# Altium PCB higgs.PcbDoc (part 23 of 25) (continued)
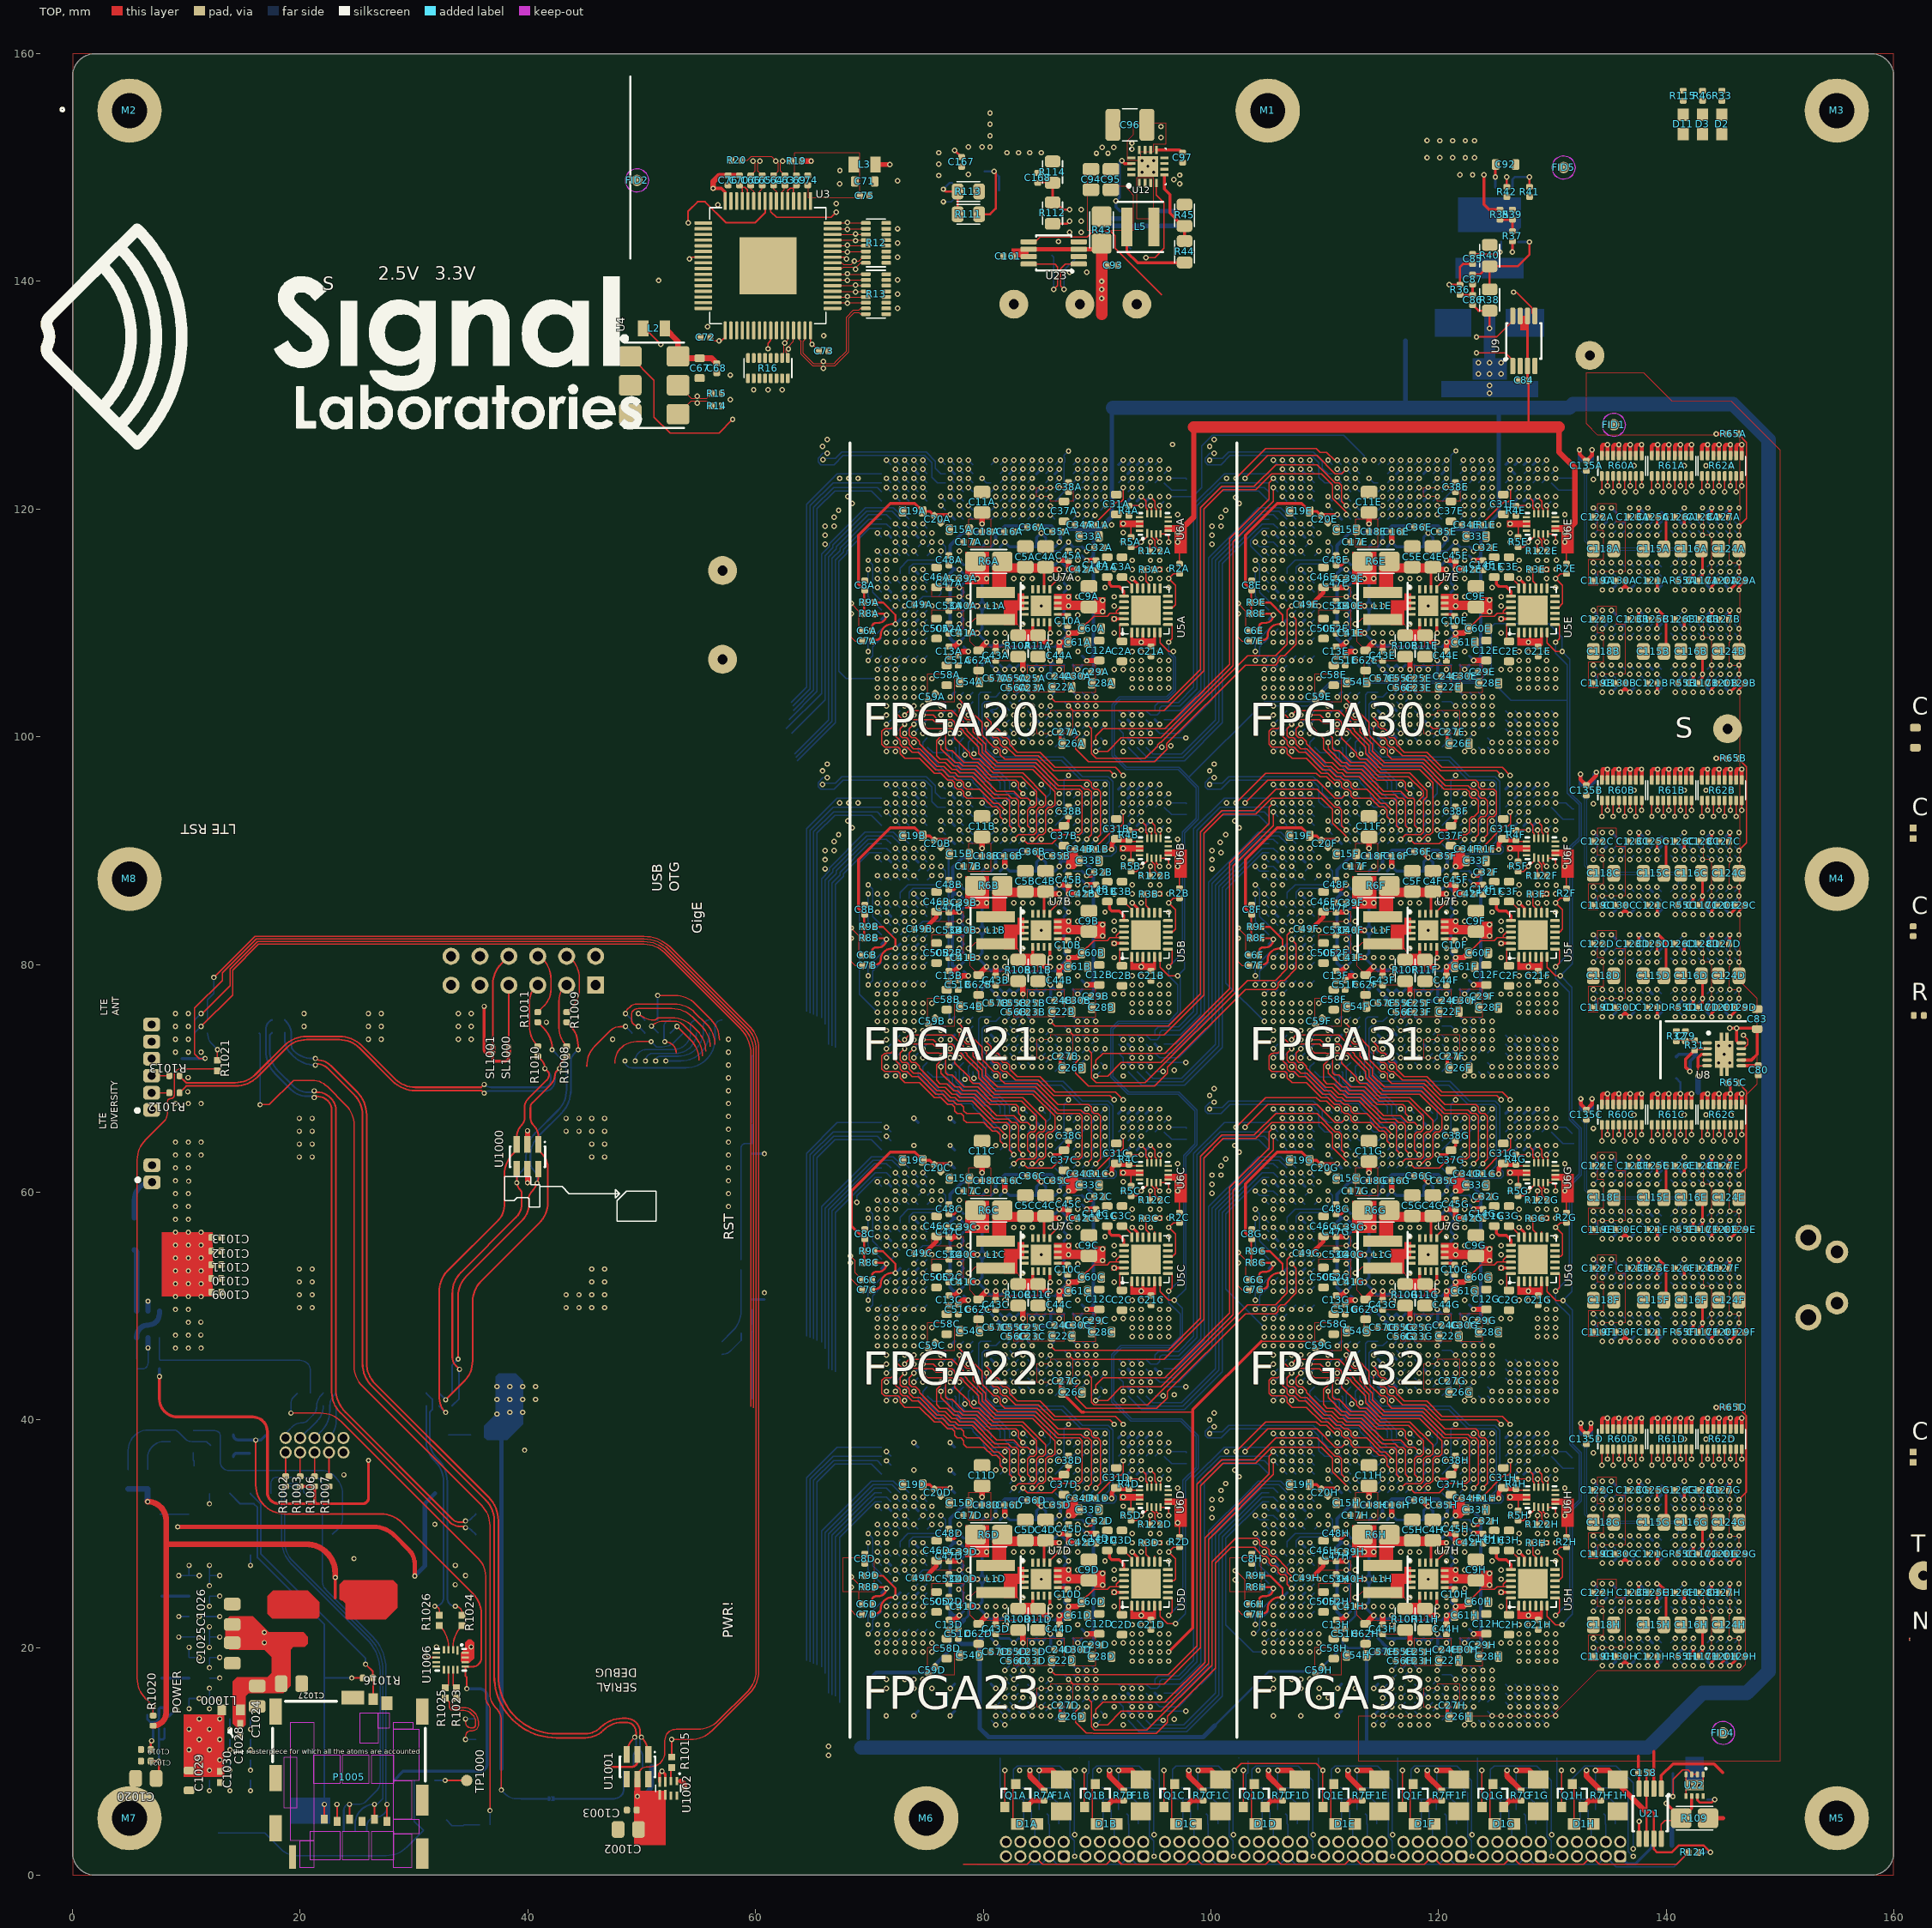
[diagram p0: TOP view]
## Nets (pads, with @x,y where several pads share a name; then routed paths per layer and width w, separated by ;. In a path a pad name is that pad's centre, name@x,y a point inside that pad or via, vN(x,y) a via of type N, cw(c..) or ccw(c..) an arc to the next point about the centre after c; other vN are vias at no path point) (continued)
  BOT w0.28: C78.2@140.9,71.9 141.1,72.1 C77.2@142.7,72.1 142.1,71.5 v1(142.1,70.6)
  other v1: 91.3,33.1 125.3,33.1 91.3,61.6 125.3,61.6 91.3,90.1 125.3,90.1 123.5,131.865 124.5,131.865 125.5,131.865 123.5,132.865 124.5,132.865 125.5,132.865
V2V5: C11A.2 C11B.2 C11C.2 C11D.2 C11E.2 C11F.2 C11G.2 C11H.2 C12A.2 C12B.2 C12C.2 C12D.2 C12E.2 C12F.2 C12G.2 C12H.2 C13A.2 C13B.2 C13C.2 C13D.2 C13E.2 C13F.2 C13G.2 C13H.2 C14A.1 C14B.1 C14C.1 C14D.1 C14E.1 C14F.1 C14G.1 C14H.1 C164.2 C165.2 R110.2 R112.2 TP11.1 U1A.AC11 U1A.AC22 U1A.K13 U1A.K20 U1A.N10 U1A.N23 U1A.Y10 U1A.Y23 U1B.AC11 U1B.AC22 U1B.K13 U1B.K20 U1B.N10 U1B.N23 U1B.Y10 U1B.Y23 U1C.AC11 U1C.AC22 U1C.K13 U1C.K20 U1C.N10 U1C.N23 U1C.Y10 U1C.Y23 U1D.AC11 U1D.AC22 U1D.K13 U1D.K20 U1D.N10 U1D.N23 U1D.Y10 U1D.Y23 U1E.AC11 U1E.AC22 U1E.K13 U1E.K20 U1E.N10 U1E.N23 U1E.Y10 U1E.Y23 U1F.AC11 U1F.AC22 U1F.K13 U1F.K20 U1F.N10 U1F.N23 U1F.Y10 U1F.Y23 U1G.AC11 U1G.AC22 U1G.K13 U1G.K20 U1G.N10 U1G.N23 U1G.Y10 U1G.Y23 U1H.AC11 U1H.AC22 U1H.K13 U1H.K20 U1H.N10 U1H.N23 U1H.Y10 U1H.Y23 U23.1 | length 769
  TOP w0.1: v1(87.1,139.3) 86.8,139.6 86.8,141.1 87.225,141.525 U23.1@88.4,141.525
  TOP w0.2: R112.2@86.1,145.06 87.36,145.06 v1(87.6,145.3)
  TOP w0.483: C13D.2@77,22.43 77.53,22.43 v1(77.9,22.8) ; C13C.2@77,50.93 77.53,50.93 v1(77.9,51.3) ; C13B.2@77,79.43 77.53,79.43 v1(77.9,79.8) ; C13A.2@77,107.93 77.53,107.93 v1(77.9,108.3) ; v1(79.9,33.2) C11D.2@79.9,34.2 ; v1(79.9,61.7) C11C.2@79.9,62.7 ; v1(79.9,90.2) C11B.2@79.9,91.2 ; v1(79.9,118.7) C11A.2@79.9,119.7 ; v1(89.1,21.2) C12D.2@90.2,21.2 ; v1(89.1,30) C14D.1@89.9,30 ; v1(89.1,49.7) C12C.2@90.2,49.7 ; v1(89.1,58.5) C14C.1@89.9,58.5 ; v1(89.1,78.2) C12B.2@90.2,78.2 ; v1(89.1,87) C14B.1@89.9,87 ; v1(89.1,115.5) C14A.1@89.9,115.5 ; v1(89.106,106.68) 90.18,106.68 C12A.2@90.2,106.7 ; C13H.2@111,22.43 111.53,22.43 v1(111.9,22.8) ; C13G.2@111,50.93 111.53,50.93 v1(111.9,51.3) ; C13F.2@111,79.43 111.53,79.43 v1(111.9,79.8) ; C13E.2@111,107.93 111.53,107.93 v1(111.9,108.3) ; v1(113.9,33.2) C11H.2@113.9,34.2 ; v1(113.9,61.7) C11G.2@113.9,62.7 ; v1(113.9,90.2) C11F.2@113.9,91.2 ; v1(113.9,118.7) C11E.2@113.9,119.7 ; v1(123.1,21.2) C12H.2@124.2,21.2 ; v1(123.1,30) C14H.1@123.9,30 ; v1(123.1,49.7) C12G.2@124.2,49.7 ; v1(123.1,58.5) C14G.1@123.9,58.5 ; v1(123.1,78.2) C12F.2@124.2,78.2 ; v1(123.1,87) C14F.1@123.9,87 ; v1(123.1,106.7) C12E.2@124.2,106.7 ; v1(123.1,115.5) C14E.1@123.9,115.5
  BOT w0.1: v1(87.1,139.3) 87.1,141 88.38,142.28 R110.2@88.38,142.3
  BOT w0.2: R110.2@87.88,142.28 R110.2@87.88,142.3
  BOT w0.254: v1(77.9,22.8) U1D.K20@78.3,23.2 ; v1(77.9,29.2) U1D.K13@78.3,28.8 ; v1(77.9,51.3) U1C.K20@78.3,51.7 ; v1(77.9,57.7) U1C.K13@78.3,57.3 ; v1(77.9,79.8) U1B.K20@78.3,80.2 ; v1(77.9,86.2) U1B.K13@78.3,85.8 ; v1(77.9,108.3) U1A.K20@78.3,108.7 ; v1(77.9,114.7) U1A.K13@78.3,114.3 ; U1D.N23@80.7,20.8 v1(81.1,20.4) ; U1D.N10@80.7,31.2 v1(81.1,31.6) ; U1C.N23@80.7,49.3 v1(81.1,48.9) ; U1C.N10@80.7,59.7 v1(81.1,60.1) ; U1B.N23@80.7,77.8 v1(81.1,77.4) ; U1B.N10@80.7,88.2 v1(81.1,88.6) ; U1A.N23@80.7,106.3 v1(81.1,105.9) ; U1A.N10@80.7,116.7 v1(81.1,117.1) ; v1(85.9,21.2) U1D.Y23@86.3,20.8 ; v1(85.9,49.7) U1C.Y23@86.3,49.3 ; v1(85.9,78.2) U1B.Y23@86.3,77.8 ; v1(85.9,106.7) U1A.Y23@86.3,106.3 ; 85.939,20.189 v1@85.939,21.086 ; 85.939,48.689 v1@85.939,49.586 ; 85.939,77.189 v1@85.939,78.086 ; 85.939,105.689 v1@85.939,106.586 ; U1D.Y10@86.3,31.2 v1(86.7,31.6) ; U1C.Y10@86.3,59.7 v1(86.7,60.1) ; U1B.Y10@86.3,88.2 v1(86.7,88.6) ; U1A.Y10@86.3,116.7 v1(86.7,117.1) ; U1D.AC22@88.7,21.6 89.075,21.225 v1(89.1,21.2) ; U1D.AC11@88.7,30.4 v1(89.1,30) ; U1C.AC22@88.7,50.1 v1(89.1,49.7) ; U1C.AC11@88.7,58.9 v1(89.1,58.5) ; U1B.AC22@88.7,78.6 89.075,78.225 v1(89.1,78.2) ; U1B.AC11@88.7,87.4 v1(89.1,87) ; U1A.AC22@88.7,107.1 89.075,106.725 89.106,106.694 v1(89.106,106.68) ; U1A.AC11@88.7,115.9 v1(89.1,115.5) ; v1(111.9,22.8) U1H.K20@112.3,23.2 ; v1(111.9,29.2) U1H.K13@112.3,28.8 ; v1(111.9,51.3) U1G.K20@112.3,51.7 ; v1(111.9,57.7) U1G.K13@112.3,57.3 ; v1(111.9,79.8) U1F.K20@112.3,80.2 ; v1(111.9,86.2) U1F.K13@112.3,85.8 ; v1(111.9,108.3) U1E.K20@112.3,108.7 ; v1(111.9,114.7) U1E.K13@112.3,114.3 ; U1H.N23@114.7,20.8 115.1,20.4 ; U1H.N10@114.7,31.2 v1(115.1,31.6) ; U1G.N23@114.7,49.3 v1(115.1,48.9) ; U1G.N10@114.7,59.7 v1(115.1,60.1) ; U1F.N23@114.7,77.8 v1(115.1,77.4) ; U1F.N10@114.7,88.2 v1(115.1,88.6) ; U1E.N23@114.7,106.3 v1(115.1,105.9) ; U1E.N10@114.7,116.7 v1(115.1,117.1) ; v1(119.9,21.2) U1H.Y23@120.3,20.8 ; v1(119.9,49.7) U1G.Y23@120.3,49.3 ; v1(119.9,78.2) U1F.Y23@120.3,77.8 ; v1(119.9,106.7) U1E.Y23@120.3,106.3 ; 119.939,20.189 v1@119.939,21.086 ; 119.939,48.689 v1@119.939,49.586 ; 119.939,77.189 v1@119.939,78.086 ; 119.939,105.689 v1@119.939,106.586 ; U1H.Y10@120.3,31.2 v1(120.7,31.6) ; U1G.Y10@120.3,59.7 v1(120.7,60.1) ; U1F.Y10@120.3,88.2 v1(120.7,88.6) ; U1E.Y10@120.3,116.7 120.572,116.972 v1(120.572,117.403) ; U1H.AC22@122.7,21.6 123.075,21.225 v1(123.1,21.2) ; U1H.AC11@122.7,30.4 v1(123.1,30) ; U1G.AC22@122.7,50.1 v1(123.1,49.7) ; U1G.AC11@122.7,58.9 v1(123.1,58.5) ; U1F.AC22@122.7,78.6 v1(123.1,78.2) ; U1F.AC11@122.7,87.4 v1(123.1,87) ; U1E.AC22@122.7,107.1 123.075,106.725 v1(123.1,106.7) ; U1E.AC11@122.7,115.9 v1(123.1,115.5)
  BOT w0.305: 69.9,12 69.9,17.1 70.6,17.8 75.1,17.8 77.1,19.8 77.1,23.125 ; v1@77.875,22.8 77.425,22.8 77.1,23.125 ; v1@77.875,51.3 77.425,51.3 77.1,51.625 77.1,57.35 77.45,57.7 ; v1@77.875,79.8 77.425,79.8 77.3,79.925 77.3,86.05 77.45,86.2 ; v1@77.875,108.3 77.425,108.3 77.1,108.625 77.1,114.35 77.45,114.7 ; v1@77.925,29.2 77.45,29.2 ; v1@77.925,57.7 77.45,57.7 ; v1@77.925,86.2 77.45,86.2 ; v1@77.925,114.7 77.45,114.7 ; v1@79.925,33.125 79.925,32.8 ; v1@79.925,61.625 79.925,61.3 ; v1@79.925,90.125 79.925,89.8 ; v1@79.925,118.625 79.925,118.3 ; v1(81.1,20.4) 81.75,19.75 85.5,19.75 85.893,20.143 86.52,19.75 89.15,19.75 89.7,20.3 89.7,21 89.438,21.263 89.7,21.525 89.7,29.65 89.375,29.975 v1@89.125,29.975 ; v1@81.1,31.7 81.1,32.2 ; v1(81.1,48.9) 81.75,48.25 85.5,48.25 85.893,48.643 86.52,48.25 89.15,48.25 89.7,48.8 89.7,49.5 89.438,49.763 89.7,50.025 89.7,58.15 89.375,58.475 v1@89.125,58.475 ; v1@81.1,60.2 81.1,60.7 ; v1(81.1,77.4) 81.75,76.75 85.5,76.75 85.893,77.143 86.52,76.75 89.15,76.75 89.7,77.3 89.7,78 89.438,78.263 89.7,78.525 89.7,86.65 89.375,86.975 v1@89.125,86.975 ; v1@81.1,88.7 81.1,89.2 ; v1(81.1,105.9) 81.75,105.25 85.5,105.25 85.893,105.643 86.52,105.25 89.15,105.25 89.7,105.8 89.7,106.5 89.438,106.763 89.7,107.025 89.7,115.15 89.375,115.475 v1@89.125,115.475 ; v1@81.1,117.2 81.1,117.7 ; v1@86.775,31.75 86.775,32.25 ; v1@86.775,60.25 86.775,60.75 ; v1@86.775,88.75 86.775,89.25 ; v1@86.775,117.25 86.775,117.75 ; v1@89.075,21.225 89.4,21.225 ; v1@89.075,49.725 89.4,49.725 ; v1@89.075,78.225 89.4,78.225 ; v1@89.075,106.725 89.4,106.725 ; 89.375,30.05 89.7,30.375 89.7,31.3 88.7,32.3 86.825,32.3 86.775,32.25 ; 89.375,58.55 89.7,58.875 89.7,59.8 88.8,60.7 86.825,60.7 86.775,60.75 ; 89.375,87.05 89.7,87.375 89.7,88.2 88.806,89.094 87.715,89.094 87.707,89.101 87.293,89.101 87.286,89.094 86.931,89.094 86.775,89.25 ; 89.375,115.55 89.7,115.875 89.7,117.4 88.9,118.2 87.225,118.2 86.775,117.75 ; v1@111.875,22.8 111.425,22.8 111.1,23.125 111.1,28.85 111.45,29.2 ; v1@111.875,51.3 111.425,51.3 111.1,51.625 111.1,57.35 111.45,57.7 ; v1@111.875,79.8 111.425,79.8 111.1,80.125 111.1,85.85 111.45,86.2 ; v1@111.875,108.3 111.425,108.3 111.1,108.625 111.1,114.35 111.45,114.7 ; v1@111.925,29.2 111.45,29.2 ; v1@111.925,57.7 111.45,57.7 ; v1@111.925,86.2 111.45,86.2 ; v1@111.925,114.7 111.45,114.7 ; 113.6,11.4 113.7,11.5 113.7,18.9 114.55,19.75 115.75,19.75 ; v1@113.925,33.125 113.925,32.8 ; v1@113.925,61.625 113.925,61.3 ; v1@113.925,90.125 113.925,89.8 ; v1@113.925,118.625 113.925,118.3 ; 115.1,20.4 115.75,19.75 ; v1@115.1,31.7 115.1,32.2 ; v1(115.1,48.9) 115.75,48.25 119.5,48.25 119.893,48.643 120.52,48.25 123.15,48.25 123.7,48.8 123.7,49.5 123.438,49.763 123.7,50.025 123.7,58.15 123.375,58.475 v1@123.125,58.475 ; v1@115.1,60.2 115.1,60.7 ; v1(115.1,77.4) 115.75,76.75 119.5,76.75 119.893,77.143 120.52,76.75 123.15,76.75 123.7,77.3 123.7,78 123.438,78.263 123.7,78.525 123.7,86.65 123.375,86.975 v1@123.125,86.975 ; v1@115.1,88.7 115.1,89.2 ; v1(115.1,105.9) 115.75,105.25 119.5,105.25 119.893,105.643 120.52,105.25 123.15,105.25 123.7,105.8 123.7,106.5 123.438,106.763 123.7,107.025 123.7,115.15 123.375,115.475 v1@123.125,115.475 ; v1@115.1,117.2 115.1,117.7 ; v1@120.775,31.75 120.775,32.25 ; v1@120.775,60.25 120.775,60.75 ; v1@120.775,88.75 120.775,89.25 ; 120.775,117.25 120.775,117.75 ; v1@123.075,21.225 123.4,21.225 ; v1@123.075,49.725 123.4,49.725 ; v1@123.075,78.225 123.4,78.225 ; v1@123.075,106.725 123.4,106.725 ; v1@123.125,29.975 123.375,29.975 123.7,29.65 123.7,21.525 123.438,21.263 123.7,21 123.7,20.3 123.15,19.75 120.52,19.75 119.893,20.143 119.5,19.75 115.75,19.75 ; 123.375,30.05 123.7,30.375 123.7,31.3 122.7,32.3 120.825,32.3 120.775,32.25 ; 123.375,58.55 123.7,58.875 123.7,59.8 122.8,60.7 120.825,60.7 120.775,60.75 ; 123.375,87.05 123.7,87.375 123.7,88.5 122.9,89.3 120.825,89.3 120.775,89.25 ; 123.375,115.55 123.7,115.875 123.7,117.4 122.9,118.2 ; 125.3,119.6 124.739,119.039 124.739,118.918 124.021,118.2 122.9,118.2 ; 77.1,23.125 77.1,28.85 77.45,29.2 ; 77.45,29.2 77.1,29.55 77.1,31.3 78.2,32.4 79.525,32.4 79.925,32.8 ; 77.45,57.7 77.1,58.05 77.1,59.8 78.2,60.9 79.525,60.9 79.925,61.3 ; 77.45,86.2 77.325,86.325 77.325,88.525 78.2,89.4 79.525,89.4 79.925,89.8 ; 77.45,114.7 77.1,115.05 77.1,116.8 78.2,117.9 79.525,117.9 79.925,118.3 ; 79.925,32.8 80.325,32.4 80.9,32.4 81.1,32.2 ; 79.925,61.3 80.325,60.9 80.9,60.9 81.1,60.7 ; 79.925,89.8 80.325,89.4 80.9,89.4 81.1,89.2 ; 79.925,118.3 80.325,117.9 80.9,117.9 81.1,117.7 ; 81.1,32.2 81.925,33.025 86,33.025 86.775,32.25 ; 81.1,60.7 81.925,61.525 86,61.525 86.775,60.75 ; 81.1,89.2 81.925,90.025 86,90.025 86.775,89.25 ; 81.1,117.7 81.925,118.525 86,118.525 86.775,117.75 ; 111.45,29.2 111.1,29.55 111.1,31.3 112.2,32.4 113.525,32.4 113.925,32.8 ; 111.45,57.7 111.1,58.05 111.1,59.8 112.2,60.9 113.525,60.9 113.925,61.3 ; 111.45,86.2 111.1,86.55 111.1,88.3 112.2,89.4 113.525,89.4 113.925,89.8 ; 111.45,114.7 111.1,115.05 111.1,116.8 112.2,117.9 113.525,117.9 113.925,118.3 ; 113.925,32.8 114.325,32.4 114.9,32.4 115.1,32.2 ; 113.925,61.3 114.325,60.9 114.9,60.9 115.1,60.7 ; 113.925,89.8 114.325,89.4 114.9,89.4 115.1,89.2 ; 113.925,118.3 114.325,117.9 114.9,117.9 115.1,117.7 ; 115.1,32.2 115.925,33.025 120,33.025 120.775,32.25 ; 115.1,60.7 115.925,61.525 120,61.525 120.775,60.75 ; 115.1,89.2 115.925,90.025 120,90.025 120.775,89.25 ; 115.1,117.7 115.925,118.525 120,118.525 120.775,117.75 ; 120.775,117.75 121.225,118.2 122.9,118.2
  BOT w0.381: 88.9,118.2 90.2,118.2 90.761,118.761 90.761,118.823 91.077,119.139 91.139,119.139 91.3,119.3 91.3,129.2 ; 117.1,129.1 117.1,134.8 ; 125.3,119.6 125.3,128.9
  BOT w1.27: 69.3,11.2 138.4,11.2 143.2,16 147.1,16 149,17.9 149,126.1 145.883,129.217 131.817,129.217 131.5,128.9 125.4,128.9 ; 91.4,128.9 125.3,128.9
  other v1: 87.6,140.8 89.1,140.8 87.6,144.3 88.6,144.3 88.6,145.3 88.6,146.3
V2V5_SNS: C168.2 NT3.A R112.1 R114.2 | length 15.3
  TOP w0.1: C168.2@84.8,148.67 86.09,148.67 R114.2@86.1,148.66
  TOP w0.2: R114.2@86.1,148.66 R112.1@86.1,146.94 86.36,146.94 87,146.3 v1(87.6,146.3)
  S5(V) w0.1: v1(87.6,146.3) 88,145.9 94.2,145.9 96.833,143.267
V3V3: C21A.2 C21B.2 C21C.2 C21D.2 C21E.2 C21F.2 C21G.2 C21H.2 C83.2 C84.2 C93.2 C131.1 C158.2 C161.2 C1024.2 C1025.2 C1026.2 C1027.2 C1028.1 D1002.1 D1003.1 F1A.1 F1B.1 F1C.1 F1D.1 F1E.1 F1F.1 F1G.1 F1H.1 L2.2 L3.2 L1000.1 R2A.2 R2B.2 R2C.2 R2D.2 R2E.2 R2F.2 R2G.2 R2H.2 R5A.2 R5B.2 R5C.2 R5D.2 R5E.2 R5F.2 R5G.2 R5H.2 R29.2 R43.2 R56.2 R58.2 R123.2 R123A.1 R123B.1 R123C.1 R123D.1 R123E.1 R123F.1 R123G.1 R123H.1 R1000.2 R1001.2 R1020.2 TP10.1 U3.9 U5A.1 U5A.3 U5A.5 U5A.17 U5B.1 U5B.3 U5B.5 U5B.17 U5C.1 U5C.3 U5C.5 U5C.17 U5D.1 U5D.3 U5D.5 U5D.17 U5E.1 U5E.3 U5E.5 U5E.17 U5F.1 U5F.3 U5F.5 U5F.17 U5G.1 U5G.3 U5G.5 U5G.17 U5H.1 U5H.3 U5H.5 U5H.17 U6A.5 U6A.6 U6A.14 U6A.15 U6B.5 U6B.6 U6B.14 U6B.15 U6C.5 U6C.6 U6C.14 U6C.15 U6D.5 U6D.6 U6D.14 U6D.15 U6E.5 U6E.6 U6E.14 U6E.15 U6F.5 U6F.6 U6F.14 U6F.15 U6G.5 U6G.6 U6G.14 U6G.15 U6H.5 U6H.6 U6H.14 U6H.15 U8.7 U8.10 U9.3 U9.6 U9.7 U11.1 U11.3 U11.6 U11.7 U15.6 U19.1 U20.1 U21.3 U21.6 U21.7 U23.3 U23.6 U23.7 U27A.5 U27B.5 U27C.5 U27D.5 U27E.5 U27F.5 U27G.5 U27H.5 U1000.5 U1006.6 U1006.14 U1006.15 U1006.16 | length 678
  TOP w0.1: R5D.2@93,32.045 93,33.1 ; R5C.2@93,60.545 93,61.6 ; R5B.2@93,89.045 93,90.1 ; R5A.2@93,117.545 93,118.6 ; v1(94.7,56.9) 94.906,56.694 ; R5H.2@127,32.045 127,33.1 ; R5G.2@127,60.545 127,61.6 ; R5F.2@127,89.045 127,90.1 ; R5E.2@127,117.545 127,118.6 ; v1(128.7,28.4) 128.906,28.194 ; v1(128.7,85.4) 128.906,85.194
  TOP w0.102: R2D.2@97.25,29.695 v1@97.25,31 ; R2C.2@97.25,58.195 97.25,59.5 ; R2B.2@97.25,86.695 97.25,88 ; R2A.2@97.25,115.195 97.25,116.5 ; v1@129.5,85.175 v1(129.5,85.4) ; v1@129.5,113.675 v1(129.5,113.9) ; R2H.2@131.25,29.695 131.25,31 ; R2G.2@131.25,58.195 131.25,59.5 ; R2F.2@131.25,86.695 131.25,88 ; R2E.2@131.25,115.195 131.25,116.5
  TOP w0.152: L2.2@50.135,135.876 50.29,135.876 v1(51.69,134.476) ; v1@54.09,145.176 54.09,146.176 54.908,146.994 55.572,146.994 57.39,145.176 59.99,145.176 60.84,146.026 U3.9@60.84,147.056 ; U8.7@146.6,71.6 U8.7@146.7,71.6
  TOP w0.2: U9.6@127.825,136.965 U9.3@127.825,132.565 127.825,131.405 C84.2@127.93,131.3 127.93,127.27 128,127.2 ; U21.6@138.275,3.2 138.275,5.6 ; C158.2@138.43,9 138.275,8.845 U21.3@138.275,7.6 138.275,5.6 ; v1(143.9,2) 143.3,2.6 141.1,2.6 140.5,2 139.2,2 138.925,2.275 U21.7@138.925,3.2 138.925,5.475 138.8,5.6 138.275,5.6
  TOP w0.203: v2(30.998,19.119) U1006.6@31.954,19.119
  TOP w0.254: R1020.2@7.012,13.196 R1020.2@7.076,13.132 ; 23.079,24.369 v2(23.079,26.151) ; v1(93.1,28.4) 93.55,27.95 U5D.17@93.55,27.535 ; v1(93.1,56.9) 93.55,56.45 U5C.17@93.55,56.035 ; v1(93.1,85.4) 93.55,84.95 U5B.17@93.55,84.535 ; v1(93.1,113.9) 93.55,113.45 U5A.17@93.55,113.035 ; v1(127.1,28.4) 127.55,27.95 U5H.17@127.55,27.535 ; v1(127.1,56.9) 127.55,56.45 U5G.17@127.55,56.035 ; v1(127.1,85.4) 127.55,84.95 U5F.17@127.55,84.535 ; v1(127.1,113.9) 127.55,113.45 U5E.17@127.55,113.035
  TOP w0.28: v1(145.601,74.4) v1(146.2,74.4) ; U8.10@146.6,73.1 146.372,73.1 146.2,73.272 v1(146.2,74.4) ; U8.7@146.7,71.6 147.5,71.6 148,72.1 C83.2@148,74.325 147.925,74.4 v1(146.2,74.4)
  TOP w0.4: L3.2@70.545,150.276 v1(71.79,150.276) ; U23.6@84,142.825 U23.3@88.4,142.825 89.897,142.825 R43.2@90.406,143.334
  TOP w0.457: v2(39.969,60.821) U1000.5@39.969,62.032
  TOP w0.483: v1(84.91,9.2) 86.065,9.2 F1A.1@86.865,8.4 ; v1(91.895,9.2) 93.05,9.2 F1B.1@93.85,8.4 ; v1(97.1,117.9) 98.5,119.3 98.5,127.2 ; v1(98.88,9.2) 100.035,9.2 F1C.1@100.835,8.4 ; v1(105.865,9.2) 107.02,9.2 F1D.1@107.82,8.4 ; v1(112.85,9.2) 114.005,9.2 F1E.1@114.805,8.4 ; v1(119.835,9.2) 120.99,9.2 F1F.1@121.79,8.4 ; v1(126.82,9.2) 127.975,9.2 F1G.1@128.775,8.4 ; 130.6,127.2 130.6,125 132,123.6 132,118.8 v1(131.1,117.9) ; v1(133.805,9.2) 134.96,9.2 F1H.1@135.76,8.4 135.76,8.04 138.2,5.6 138.275,5.6
  TOP w0.508: v2(6.596,32.809) cw(c6.596,31.185) 8.219,31.185 8.219,29.071 ; R1020.2@7.076,13.132 ccw(c7.076,14.275) 8.219,14.275 8.219,29.071 ; v2(23.079,26.151) 23.078,26.531 ccw(c20.538,26.531) 20.538,29.071 8.219,29.071
  TOP w1.016: 90.406,137.094 v1(90.406,138.506) v1(90.406,139.3) v1(90.406,140) R43.2@90.406,142.7 ; 98.5,127.2 118.375,127.2 128,127.2 130.6,127.2
  S1(V) w0.483: v1(131.1,60.1) v1(131.1,60.9) 131.1,61.1 132.1,62.1 132.1,65.5 134.3,67.7 146.6,67.7 147.4,68.5 147.4,74.1 147.1,74.4 v1(146.2,74.4) 145.7,74.4 v1@145.65,74.35
  S4(VDDR) w0.1: 126.51,92.81 126.698,92.998 126.698,96.923 127.5,97.725 ; 128.575,109.025 128.575,108.988 130.89,106.674 130.89,106.51
  S4(VDDR) w0.254: 62.966,25.866 62.966,29.206 ; v1(93.1,28.4) 93.228,28.4 93.703,28.875 94.897,28.875 95.372,28.4 v1(95.5,28.4) v1@95.55,28.4 ; v1(93.1,56.9) 93.625,57.425 94.2,57.425 v1@94.7,56.925 ; v1(127.1,28.4) 127.228,28.4 127.703,28.875 128.097,28.875 128.547,28.425 v1@128.725,28.425 ; v1(127.1,85.4) 127.725,86.025 128.125,86.025 v1@128.7,85.45 ; v1(127.1,113.9) 127.675,114.475 128.175,114.475 ; v1(128.7,85.4) v1(129.5,85.4) v1@129.525,85.425 ; v1@129.525,113.9 128.95,114.475 128.175,114.475 ; 131.025,116.425 128.953,116.425 128.225,115.697 128.225,114.525 128.175,114.475
  S4(VDDR) w0.305: 90.638,39.713 91.475,38.875 ; 90.638,68.213 91.475,67.375 ; 90.638,96.713 91.475,95.875 ; 124.638,39.713 125.475,38.875 125.525,38.875 ; 124.638,68.213 125.475,67.375
  S4(VDDR) w0.483: 62.21,41.61 62.21,42.444 63.1,43.334 63.1,54.5 63.6,55 63.6,58.05 63.1,58.55 63.1,60.1 63.1,60.9 ; 63.1,31.6 63.1,32.4 ; 90.638,39.713 91.65,40.725 96.325,40.725 97.39,41.79 97.39,42.444 97.1,42.734 97.1,49.966 97.39,50.256 97.39,54.21 97.1,54.5 ; 90.638,68.213 91.65,69.225 96.325,69.225 97.39,70.29 97.39,70.944 97.2,71.134 97.2,78.266 97.689,78.756 97.689,82.411 97.1,83 ; 90.638,96.713 91.65,97.725 96.325,97.725 97.1,98.5 97.1,99.497 97.02,99.577 97.02,106.986 97.29,107.256 97.29,107.744 97.02,108.014 97.02,111.42 ; 91.525,38.875 91.525,33.975 v1(92.3,33.2) 93.075,33.2 93.875,32.4 v1(97.1,32.4) v1(97.1,30.95) ; 91.525,67.375 91.525,62.475 v1(92.3,61.7) 93.075,61.7 93.875,60.9 v1(97.1,60.9) v1(97.1,60.1) 97.1,54.5 ; 91.525,95.875 91.525,90.975 v1(92.3,90.2) 93.075,90.2 93.875,89.4 v1(97.1,89.4) v1(97.1,88.6) 97.1,83 ; v1@92.266,33.2 91.71,32.644 91.71,30.64 92.51,29.84 92.51,28.946 v1@93.075,28.382 ; v1@92.266,61.7 91.71,61.144 91.71,59.14 92.51,58.34 92.51,57.446 v1@93.075,56.882 ; v1@92.266,90.2 91.71,89.644 91.71,87.64 92.51,86.84 92.51,85.947 v1@93.075,85.382 ; v1@93.075,113.882 92.51,114.446 92.51,115.34 91.692,116.158 91.692,118.15 92.273,118.731 v1(92.306,118.731) 93.044,118.731 93.875,117.9 v1(97.1,117.9) v1(97.1,117.1) 97.1,111.5 97.02,111.42 ; v1@93.9,22.825 97.1,26.025 ; v1(93.9,51.3) 97.1,54.5 ; v1(93.9,79.8) 97.1,83 ; v1(93.9,108.3) 97.02,111.42 ; 97.1,26.075 97.1,31.675 ; 124.638,39.713 125.65,40.725 129.6,40.725 130.89,42.015 130.89,49.115 131.54,49.765 131.54,54.06 131.1,54.5 ; 124.638,68.213 125.65,69.225 130.325,69.225 131.29,70.19 131.29,79.244 131.1,79.434 131.1,83 ; 125.525,38.875 125.525,33.975 v1(126.3,33.2) 127.075,33.2 127.875,32.4 v1(131.1,32.4) v1(131.1,31.6) 131.1,26 v1(127.9,22.8) ; 125.525,67.375 125.525,62.475 v1(126.3,61.7) 127.075,61.7 127.875,60.9 v1(131.1,60.9) v1(131.1,60.1) 131.1,54.5 ; v1@126.266,33.2 125.71,32.644 125.71,30.64 126.51,29.84 126.51,28.947 v1@127.075,28.382 ; v1@126.266,61.7 125.71,61.144 125.71,59.14 126.51,58.34 126.51,57.446 v1@127.075,56.882 ; v1@126.266,90.2 125.71,89.644 125.71,87.64 126.51,86.84 126.51,85.947 v1@127.075,85.382 ; v1(126.3,118.7) 127.075,118.7 127.875,117.9 v1(131.1,117.9) v1(131.1,117.1) 131.1,111.55 128.575,109.025 v1@127.85,108.3 ; 126.51,92.81 126.3,92.6 v1(126.3,90.2) 127.075,90.2 127.875,89.4 v1(131.1,89.4) v1(131.1,88.6) 131.1,83 ; 127.5,97.725 129.925,97.725 130.89,98.69 130.89,106.51 ; v1(127.9,51.3) 131.1,54.5 ; v1(127.9,79.8) 131.1,83
  BOT w0.102: v1(84.91,9.2) 84.91,6.995 85.205,6.7 86.205,6.7 86.65,6.255 R123A.1@86.65,4.5 ; v1(91.895,9.2) 91.895,6.995 92.19,6.7 93.19,6.7 93.635,6.255 R123B.1@93.635,4.5 ; v1(98.88,9.2) 98.88,6.995 99.175,6.7 100.175,6.7 100.62,6.255 R123C.1@100.62,4.5 ; v1(105.865,9.2) 105.865,6.995 106.16,6.7 107.16,6.7 107.605,6.255 R123D.1@107.605,4.5 ; v1(112.85,9.2) 112.85,6.995 113.145,6.7 114.145,6.7 114.59,6.255 R123E.1@114.59,4.5 ; v1(119.835,9.2) 119.835,6.995 120.13,6.7 121.13,6.7 121.575,6.255 R123F.1@121.575,4.5 ; v1(126.82,9.2) 126.82,6.995 127.115,6.7 128.115,6.7 128.56,6.255 R123G.1@128.56,4.5 ; v1(133.805,9.2) 133.805,6.995 134.1,6.7 135.1,6.7 135.545,6.255 R123H.1@135.545,4.5
  BOT w0.2: R29.2@142.845,2 v1(143.9,2)
  BOT w0.203: R1001.2@59.729,50.564 60.784,50.564 ; R1000.2@59.729,63.374 v2(60.784,63.374)
  BOT w0.4: v1(90.406,138.506) v1(90.406,139.3) v1(90.406,140) 90.406,144.8 ; U11.7@92.5,145.525 90.406,145.525 90.406,144.8 ; U11.3@96.9,144.875 94.7,144.875 ; U11.1@96.9,146.175 94.875,146.175 94.7,146 94.7,144.875 ; 90.406,144.8 90.481,144.875 U11.6@92.5,144.875 94.7,144.875
  BOT w0.508: D1003.1@4.896,33.92 D1002.1@6.596,33.92 v2(6.596,32.809)
  other v1: 93.9,22.8 127.9,108.3 54.085,145.126
  other v2: 35.016,20.054 16.855,20.435 16.855,21.324 60.784,51.164
V3V3_CELL: C1029.2 C1030.1 L1000.2 U1005.M1 U1005.M2 U1005.N1 U1005.N2 U1005.P1 U1005.P2 | length 9.9
  BOT w0.127: U1005.P1@10.229,10.119 v2(11.129,10.119) ; v2(10.229,11.019) U1005.N1@10.229,11.919 v2(11.129,11.919) ; v2(10.229,12.819) U1005.M1@10.229,13.719 v2(11.129,13.719) ; v2(12.029,9.219) U1005.P2@12.029,10.119 v2(12.929,10.119) ; v2(12.029,11.019) U1005.N2@12.029,11.919 v2(12.929,11.919) ; v2(12.029,12.819) U1005.M2@12.029,13.719 v2(12.929,13.719)
V5: C98A.2 C98B.2 C99A.2 C99B.2 C108A.2 C108B.2 C109A.2 C109B.2 C1009.2 C1010.2 C1011.2 C1012.2 C1013.2 C1014.2 C1015.2 C1016.2 C1017.2 C1018.2 F4.1 P1002.4 Q1000.2 R17A.2 R17B.2 R18A.2 R18B.2 R21A.2 R21B.2 R33.2 R46.2 R109.2 R115.2 R1018.2 SL1000.1 SL1001.2 U2A.15 U2B.15 U13A.8 U13A.9 U13A.18 U13A.19 U13A.20 U13B.8 U13B.9 U13B.18 U13B.19 U13B.20 U16A.1 U16A.3 U16A.4 U16B.1 U16B.3 U16B.4 U21.1 U1002.1 U1002.3 U1002.4 U1003.PAA42 U1003.PAA43 U1003.PAB42 U1003.PAB43 U1003.PV42 U1003.PV43 U1003.PW42 U1003.PW43 U1003.PY42 U1003.PY43 U1004.1 U1004.3 U1004.4 | length 27.7
  TOP w0.152: U1002.1@53.079,8.264 53.41,8.264
  TOP w0.254: v2(36.159,76.315) 36.159,72.505 ccw(c36.444,72.505) 36.444,72.22 SL1001.2@36.921,72.22 36.921,71.743 ccw(c37.175,71.743) 37.175,71.489 37.937,71.489 ccw(c37.937,71.87) 38.318,71.87 SL1000.1@38.318,72.17 ; U1002.4@51.579,8.184 51.579,8.931 v2(51.78,9.132) 52.079,8.833 U1002.3@52.079,8.184 ; U21.1@139.575,7.6 139.575,8.759 140.6,9.784 144.216,9.784 145,9
  TOP w0.381: 53.41,8.264 53.537,8.264 53.812,7.989 v2(53.812,7.608)
  TOP w0.4: R109.2@143.68,5 145,5
  BOT w0.102: R1018.2@5.629,44.474 6.119,44.474 ccw(c6.119,44.985) 6.63,44.985 v2@6.63,46.32
  BOT w0.203: U1004.1@6.579,14.064 6.579,13.693 6.81,13.462 7.318,13.462 7.579,13.722 U1004.3@7.579,13.984
  BOT w0.254: U1004.3@7.579,13.984 7.579,14.588 7.711,14.72 7.914,14.72 8.079,14.555 U1004.4@8.079,13.984 8.499,13.984 v2(9.108,14.593)
  BOT w0.457: v2@6.63,46.32 Q1000.2@6.63,47.219
  other v2: 6.629,46.319 9.034,50.824 10.164,50.824 11.294,50.824 9.034,51.954 10.164,51.954 11.294,51.954 9.034,53.084 10.164,53.084 11.294,53.084 9.034,54.214 10.164,54.214 11.294,54.214 9.034,55.344 10.164,55.344 11.294,55.344 9.034,56.474 10.164,56.474 11.294,56.474
V5_FUSED: F4.2
V5_USB_CELL: C1020.2 C1021.2 U1004.5 U1004.6 U1005.A13 | length 38
  TOP w0.203: C1021.2@6.871,10.021 v2(7.584,10.021) 7.584,8.74 C1020.2@7.341,8.497
  TOP w0.381: v2(9.235,30.595) 26.471,30.595 cw(c26.471,28.055) 28.267,29.851 29.555,28.563 cw(c28.329,27.337) 30.063,27.337 v2(30.063,26.277)
  BOT w0.203: v2@7.579,10.021 7.579,12.058 ; U1004.6@7.579,12.854 7.579,12.058 ; U1004.5@8.079,12.854 8.079,12.04 7.965,11.926 7.711,11.926 7.579,12.058
  BOT w0.381: v2(30.063,26.277) 30.952,27.166 30.952,32.642 U1005.A13@31.829,33.519